# Altium PCB RoBeast_Control_Board_PCB.PcbDoc (part 2 of 3)
Units mm, origin at the board's own origin, x right, y up, seen from the top; angles counter-clockwise.
Board outline 150 x 150 mm, 4 copper layers (SIG, GND1, PWR/SIG/GND2, GND3), stack 0.603 mm thick; 310 components, 148 nets, 806 pads, 385 vias.
Unrouted connection lines stored in the file: 242.
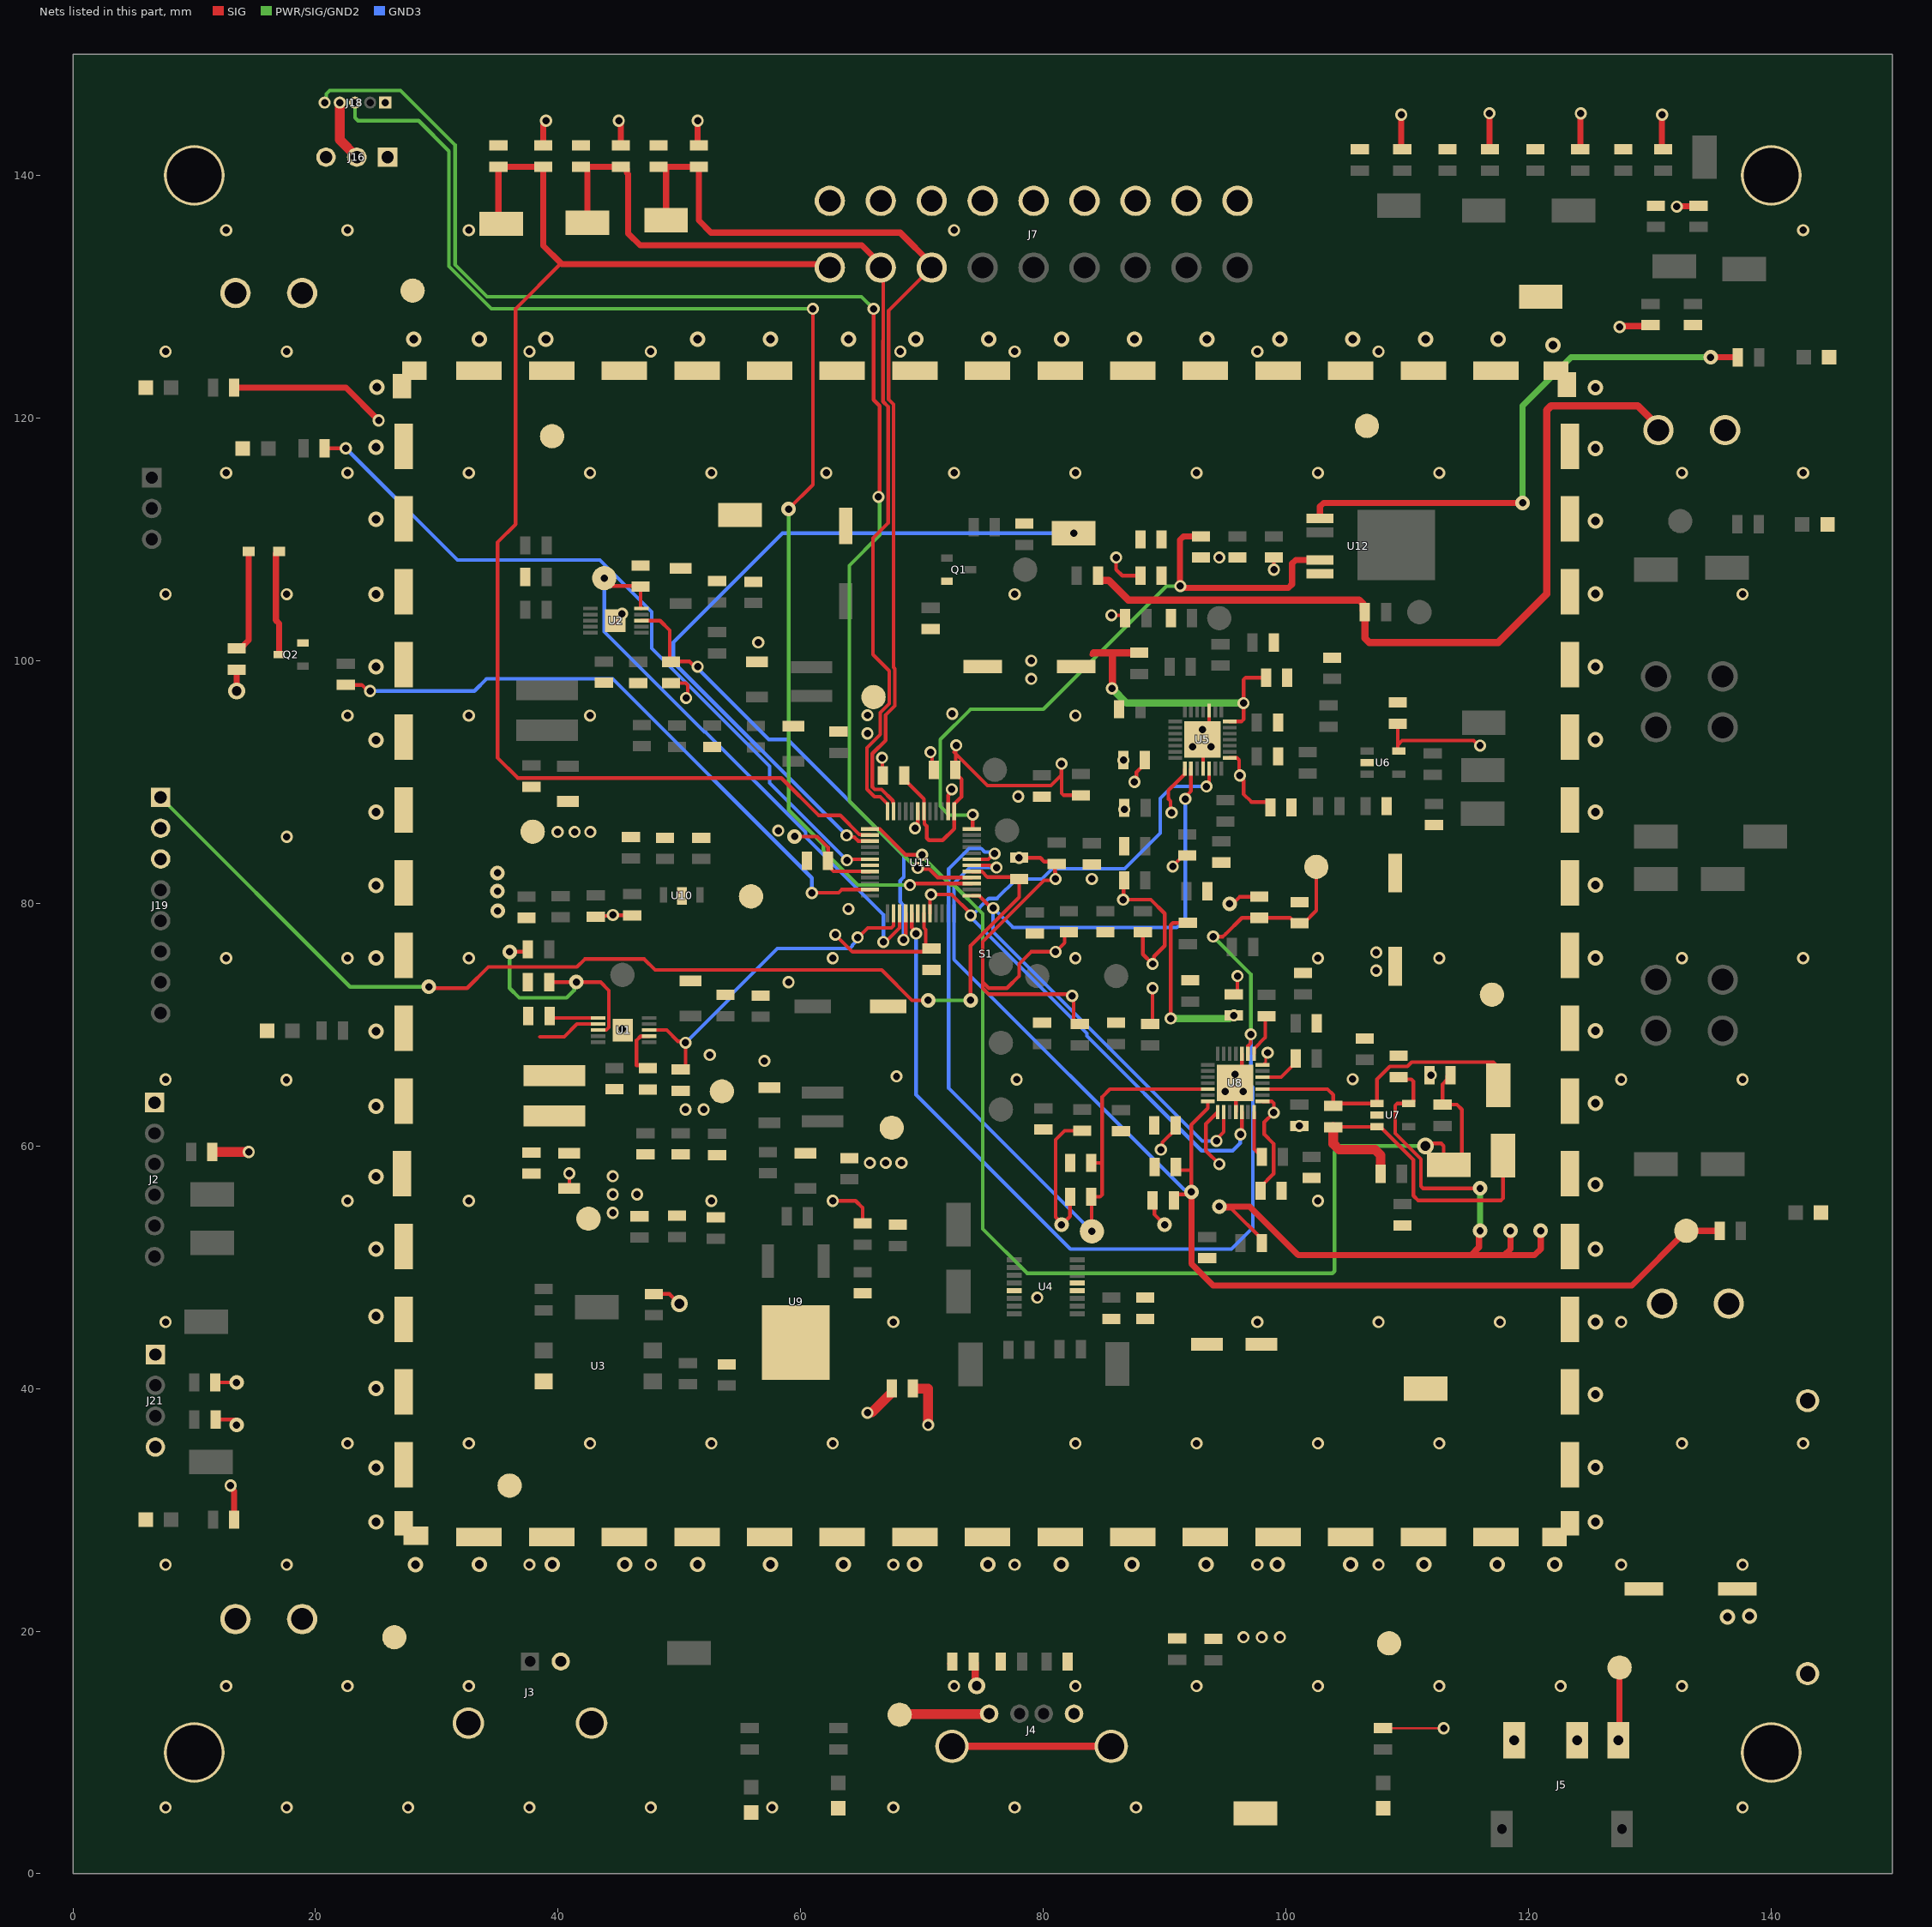
[diagram p4: the nets of this part, all layers, seen from the top]

## Part data (continued)
L4 L7: library part MPZ2012S221AT000, "Ferrite Chip, 1 Function(s), 3A", Case Code=0805, Current Rating=3A, DC Resistance-Max=40mR, Manufacturer=TDK, Max Frequency=100MHz, Max Operating Temperature=125°C, Min Operating Temperature=-55°C, Supplier Part Number 1=445-MPZ2012S221AT000CT-ND, Category="Ferrite Beads and Chips", ComponentLink1Description=https://datasheet.ciiva.com:443/pdfs/VipMasterIC/IC/TDKC/TDKC-S-A0008032886/TDKC-S-A0008032886-1.pdf?src-supplier=IHS+Markit, ComponentLink1URL=https://datasheet.ciiva.com:443/pdfs/VipMasterIC/IC/TDKC/TDKC-S-A0008032886/TDKC-S-A0008032886-1.pdf?src-supplier=IHS+Markit, ComponentLink2Description=https://datasheet.ciiva.com/46381/1750041-46381647.pdf?src-supplier=Element14, ComponentLink2URL=https://datasheet.ciiva.com/46381/1750041-46381647.pdf?src-supplier=Element14, ComponentLink3Description=https://datasheet.ciiva.com/46634/beads-commercial-power-mpz-en-46634582.pdf?src-supplier=Digikey, ComponentLink3URL=https://datasheet.ciiva.com/46634/beads-commercial-power-mpz-en-46634582.pdf?src-supplier=Digikey, ComponentLink4Description=https://datasheet.ciiva.com/46634/beads-commercial-power-mpz-en-46634586.pdf?src-supplier=Digikey, ComponentLink4URL=https://datasheet.ciiva.com/46634/beads-commercial-power-mpz-en-46634586.pdf?src-supplier=Digikey, Construction="Chip Bead", Filter Type="FERRITE CHIP", Height=0.85mm, JESD-609 Code=e2, Length=2mm, Manufacturer Part Number=MPZ2012S221AT000, Material=Ferrite, Min Frequency=100MHz, Mount="Surface Mount", Number of Functions=1, Output Impedance=220R, Packaging="Tape and Reel", Pricing 1="1=0.12, 10=0.094, 25=0.0848, 50=0.0622, 100=0.0537, 250=0.0424, 500=0.03582, 1000=0.03016 (USD)", Reach SVHC Compliant=Yes, RoHS=Yes, RoHS Compliant=Yes, Stock 1=260953, Supplier 1=Digikey, Terminal Finish=Copper, Width=1.25mm
LED1 LED2 LED8: library part LTST-C170KFKT, "Single Color LED, Orange, Water Clear, 1.4mm", Color=Orange, Forward Current-Max=30mA, Forward Voltage-Max=2.4V, Manufacturer="Vishay Lite-On", Max Operating Temperature=85°C, Min Operating Temperature=-55°C, Reverse Voltage-Max=5V, Supplier Part Number 1=160-1413-1-ND, Category=LEDs, Color@wavelength=Orange, ComponentLink1Description=https://datasheet.ciiva.com:443/pdfs/VipMasterIC/IC/LITE/LITE-S-A0009745864/LITE-S-A0009746003-1.pdf?src-supplier=IHS+Markit, ComponentLink1URL=https://datasheet.ciiva.com:443/pdfs/VipMasterIC/IC/LITE/LITE-S-A0009745864/LITE-S-A0009746003-1.pdf?src-supplier=IHS+Markit, ComponentLink2Description=https://datasheet.ciiva.com/11773/0900766b80dc0279-11773662.pdf?src-supplier=Rs, ComponentLink2URL=https://datasheet.ciiva.com/11773/0900766b80dc0279-11773662.pdf?src-supplier=Rs, ComponentLink3Description=https://datasheet.ciiva.com/12403/lite-on-ltst-c170kfkt-187690-12403821.pdf?src-supplier=Mouser, ComponentLink3URL=https://datasheet.ciiva.com/12403/lite-on-ltst-c170kfkt-187690-12403821.pdf?src-supplier=Mouser, ComponentLink4Description=https://datasheet.ciiva.com/15117/getdatasheetpartid-158266-15117926.pdf?src-supplier=Verical, ComponentLink4URL=https://datasheet.ciiva.com/15117/getdatasheetpartid-158266-15117926.pdf?src-supplier=Verical, ComponentLink5Description=https://datasheet.ciiva.com/2110/s-110-ltst-c170kfkt-2110076.pdf?src-supplier=Digikey, ComponentLink5URL=https://datasheet.ciiva.com/2110/s-110-ltst-c170kfkt-2110076.pdf?src-supplier=Digikey, ComponentLink6Description=https://datasheet.ciiva.com/2110/s-110-ltst-c170kfkt-2110075.pdf?src-supplier=Digikey, ComponentLink6URL=https://datasheet.ciiva.com/2110/s-110-ltst-c170kfkt-2110075.pdf?src-supplier=Digikey, ComponentLink7Description=https://datasheet.ciiva.com/2110/s-110-ltst-c170kfkt-2110077.pdf?src-supplier=Digikey, ComponentLink7URL=https://datasheet.ciiva.com/2110/s-110-ltst-c170kfkt-2110077.pdf?src-supplier=Digikey, ComponentLink8Description=https://datasheet.ciiva.com/16427/ltst-c170kfkt-16427484.pdf?src-supplier=Future+Electronics, ComponentLink8URL=https://datasheet.ciiva.com/16427/ltst-c170kfkt-16427484.pdf?src-supplier=Future+Electronics, JESD-609 Code=e3, Lens Style="WATER CLEAR", Luminous Intensity-Nom=60mcd, Manufacturer Part Number=LTST-C170KFKT, Mount="Surface Mount", Number of Functions=1, Number of Pins=2, Optoelectronic Device Type="SINGLE COLOR LED", Overall Height=1.1mm, Packaging="Tape and Reel", Pricing 1="1=0.28, 10=0.152, 100=0.0706, 500=0.06514, 1000=0.05103 (USD)", Reach SVHC Compliant=Yes, RoHS=Yes, RoHS Compliant=Yes, Shape=Rectangular, Size=1.4mm, Stock 1=182565, Supplier 1=Digikey, Terminal Finish=Tin, Terminal Pitch=2.1mm, Viewing Angle=130°
LED3 LED4 LED5 LED6 LED7 LED9 LED10: library part APTD2012LQBC/D, "Single Color LED", Manufacturer=Kingbright, Supplier Part Number 1=754-2046-1-ND, Category=LEDs, ComponentLink1Description=https://datasheet.ciiva.com:443/pdfs/VipMasterIC/IC/KBEC/KBEC-S-A0008946974/KBEC-S-A0008947044-1.pdf?src-supplier=IHS+Markit, ComponentLink1URL=https://datasheet.ciiva.com:443/pdfs/VipMasterIC/IC/KBEC/KBEC-S-A0008946974/KBEC-S-A0008947044-1.pdf?src-supplier=IHS+Markit, ComponentLink2Description=http://www.kingbrightusa.com/images/catalog/SPEC/APTD2012LQBC-D.pdf?src-supplier=Digikey, ComponentLink2URL=http://www.kingbrightusa.com/images/catalog/SPEC/APTD2012LQBC-D.pdf?src-supplier=Digikey, Manufacturer Part Number=APTD2012LQBC/D, Pricing 1="1=0.54, 10=0.358, 100=0.2367, 1000=0.18275 (USD)", RoHS=Yes, RoHS Compliant=Yes, Stock 1=20866, Supplier 1=Digikey
M1 M2 M3 M4: library part M4
NP1 NP2 NP3 NP4 NP5 NP6 NP7 NP8 NP9 NP10 NP11 NP12 NP13 NP14 NP15 NP16 NP17: library part NP
Q1 Q2: library part BC846BLT1G, "Small Signal Bipolar Transistor, 0.1A I(C), 65V V(BR)CEO, 1-Element, NPN, Silicon, TO-236", Collector-emitter Voltage-Max=65V, DC Current Gain-Min (hFE)=200, Manufacturer="ON Semiconductor", Max Collector Current=100mA, Max Operating Temperature=150°C, Package Body Material=Plastic, Package Shape=Rectangular, Package Style="SMALL OUTLINEMeter", Peak Reflow Temperature (Cel)=260°C, Power Dissipation-Max (Abs)=225mW, Supplier Part Number 1=BC846BLT1GOSCT-ND, Time @ Peak Reflow Temperature-Max (s)=40s, Transition Frequency-Nom (fT)=100MHz, Category=BJTs, ComponentLink1Description=https://datasheet.ciiva.com:443/pdfs/VipMasterIC/IC/ONSM/ONSM-S-A0009451914/ONSM-S-A0009451914-1.pdf?src-supplier=IHS+Markit, ComponentLink1URL=https://datasheet.ciiva.com:443/pdfs/VipMasterIC/IC/ONSM/ONSM-S-A0009451914/ONSM-S-A0009451914-1.pdf?src-supplier=IHS+Markit, ComponentLink2Description=https://datasheet.ciiva.com/15138/getdatasheetpartid-38790-15138644.pdf?src-supplier=Verical, ComponentLink2URL=https://datasheet.ciiva.com/15138/getdatasheetpartid-38790-15138644.pdf?src-supplier=Verical, ComponentLink3Description=https://datasheet.ciiva.com/27056/2010421-27056146.pdf?src-supplier=Jameco, ComponentLink3URL=https://datasheet.ciiva.com/27056/2010421-27056146.pdf?src-supplier=Jameco, ComponentLink4Description=https://datasheet.ciiva.com/7972/bc846alt1-d-7972189.pdf?src-supplier=Element14, ComponentLink4URL=https://datasheet.ciiva.com/7972/bc846alt1-d-7972189.pdf?src-supplier=Element14, JEDEC-95 Code=TO-236, JESD-30 Code=R-PDSO-G3, JESD-609 Code=e3, Manufacturer Part Number=BC846BLT1G, Moisture Sensitivity Level=1, Number of Elements=1, Number of Pins=3, Polarity/Channel Type=NPN, Pricing 1="1=0.14, 10=0.097, 100=0.0522, 500=0.04102, 1000=0.02848 (USD)", Qualification Status="Not Qualified", Reach SVHC Compliant=Yes, RoHS=Yes, RoHS Compliant=Yes, Stock 1=1618453, Supplier 1=Digikey, Surface Mount=Yes, Terminal Finish=Tin, Terminal Form="Gull Wing", Terminal Position=DUAL, Transistor Application=SWITCHING, Transistor Element Material=SILICON
R1 R3 R6 R8 R13 R14 R20 R21 R22 R23 R27 R46 R49 R56 R66 R67 R70 R71 R78 R79 R80 R81 R87 R88 R92 R95 R96 R97 R98 R99 R100 R101: library part RMCF0805ZT0R00, "Fixed Resistor, Metal Glaze/thick Film, 0.125W, 0ohm, Surface Mount, 0805", Manufacturer="Stackpole Electronics", Max Operating Temperature=155°C, Min Operating Temperature=-55°C, Package Height=0.5mm, Package Length=2mm, Package Shape=Rectangular, Package Style=SMTMeter, Package Width=1.25mm, Rated Power Dissipation (P)=125mW, Rated Temperature=70°C, Resistor Type="FIXED RESISTOR", Supplier Part Number 1=RMCF0805ZT0R00CT-ND, Working Voltage=150V, Category="Chip SMD Resistors", ComponentLink1Description=https://datasheet.ciiva.com:443/pdfs/VipMasterIC/IC/SEIE/SEIE-S-A0007077258/SEIE-S-A0007077258-1.pdf?src-supplier=IHS+Markit, ComponentLink1URL=https://datasheet.ciiva.com:443/pdfs/VipMasterIC/IC/SEIE/SEIE-S-A0007077258/SEIE-S-A0007077258-1.pdf?src-supplier=IHS+Markit, ComponentLink2Description=https://datasheet.ciiva.com/15193/getdatasheetpartid-360417-15193658.pdf?src-supplier=Verical, ComponentLink2URL=https://datasheet.ciiva.com/15193/getdatasheetpartid-360417-15193658.pdf?src-supplier=Verical, Construction=Rectangular, JESD-609 Code=e3, Manufacturer Part Number=RMCF0805ZT0R00, Mount="Surface Mount", Number of Pins=2, Packaging="Tape and Reel", Pricing 1="1=0.1, 10=0.017, 25=0.0128, 50=0.0096, 100=0.0068, 250=0.00544, 500=0.00436, 1000=0.00321 (USD)", Reach SVHC Compliant=Yes, Reference Standard=AEC-Q200, Resistance=0R, RoHS=Yes, RoHS Compliant=Yes, Size Code=0805, Stock 1=1154169, Supplier 1=Digikey, Technology="METAL GLAZE/THICK FILM", Terminal Finish=Nickel, Termination=Wraparound
R2: library part AC0805FR-07110RL, "Fixed Resistor, Metal Glaze/thick Film, 0.125W, 110ohm, 150V, 1% +/-Tol, 100ppm/Cel, Surface Mount, 0805", Manufacturer=Yageo, Max Operating Temperature=155°C, Min Operating Temperature=-55°C, Package Height=0.5mm, Package Length=2mm, Package Shape=Rectangular, Package Style=SMTMeter, Package Width=1.25mm, Rated Power Dissipation (P)=125mW, Rated Temperature=70°C, Resistor Type="FIXED RESISTOR", Supplier Part Number 1=13-AC0805FR-07110RLCT-ND, Temperature Coefficient=100ppm/°C, Tolerance=1%, Working Voltage=150V, Additional Feature="LASER TRIMMABLE", Category="Chip SMD Resistors", ComponentLink1Description=https://datasheet.ciiva.com:443/pdfs/VipMasterIC/IC/YAGO/YAGO-S-A0003597364/YAGO-S-A0003597364-1.pdf?src-supplier=IHS+Markit, ComponentLink1URL=https://datasheet.ciiva.com:443/pdfs/VipMasterIC/IC/YAGO/YAGO-S-A0003597364/YAGO-S-A0003597364-1.pdf?src-supplier=IHS+Markit, ComponentLink2Description=http://www.mouser.com/ds/2/447/yageodocoutput-1111992.pdf?src-supplier=Mouser, ComponentLink2URL=http://www.mouser.com/ds/2/447/yageodocoutput-1111992.pdf?src-supplier=Mouser, ComponentLink3Description=http://www.yageo.com/documents/recent/PYu-AC_51_RoHS_L_2.pdf?src-supplier=Future+Electronics, ComponentLink3URL=http://www.yageo.com/documents/recent/PYu-AC_51_RoHS_L_2.pdf?src-supplier=Future+Electronics, ComponentLink4Description=http://www.yageo.com/NewPortal/yageodocoutput?fileName=/pdf/R-Chip/PYu-AC_51_RoHS_L_6.pdf&src-supplier=Digikey, ComponentLink4URL=http://www.yageo.com/NewPortal/yageodocoutput?fileName=/pdf/R-Chip/PYu-AC_51_RoHS_L_6.pdf&src-supplier=Digikey, Construction=Chip, JESD-609 Code=e3, Manufacturer Part Number=AC0805FR-07110RL, Mount="Surface Mount", Number of Pins=2, Packaging="Tape and Reel", Pricing 1="1=0.1, 10=0.031, 50=0.0198, 100=0.0166, 500=0.01152, 1000=0.00997 (USD)", Reach SVHC Compliant=Yes, Reference Standard=AEC-Q200, Resistance=110R, RoHS=Yes, RoHS Compliant=Yes, Size Code=0805, Stock 1=9650, Supplier 1=Digikey, Technology="METAL GLAZE/THICK FILM", Terminal Finish=Nickel, Termination=Wraparound
R4: library part RC0805FR-0768RL, "Fixed Resistor, Metal Glaze/thick Film, 0.125W, 68ohm, 150V, 1% +/-Tol, 100ppm/Cel, Surface Mount, 0805", Manufacturer=Yageo, Max Operating Temperature=155°C, Min Operating Temperature=-55°C, Package Height=0.5mm, Package Length=2mm, Package Shape=Rectangular, Package Style=SMTMeter, Package Width=1.25mm, Rated Power Dissipation (P)=125mW, Rated Temperature=70°C, Resistor Type="FIXED RESISTOR", Supplier Part Number 1=311-68.0CRCT-ND, Temperature Coefficient=100ppm/°C, Tolerance=1%, Working Voltage=150V, Additional Feature="LASER TRIMMABLE", Category="Chip SMD Resistors", ComponentLink1Description=https://datasheet.ciiva.com:443/pdfs/VipMasterIC/IC/YAGO/YAGO-S-A0008145938/YAGO-S-A0008145938-1.pdf?src-supplier=IHS+Markit, ComponentLink1URL=https://datasheet.ciiva.com:443/pdfs/VipMasterIC/IC/YAGO/YAGO-S-A0008145938/YAGO-S-A0008145938-1.pdf?src-supplier=IHS+Markit, ComponentLink2Description=https://datasheet.ciiva.com/2458/pyu-r-int-thick-7-2458140.pdf?src-supplier=Digikey, ComponentLink2URL=https://datasheet.ciiva.com/2458/pyu-r-int-thick-7-2458140.pdf?src-supplier=Digikey, ComponentLink3Description=https://datasheet.ciiva.com/2458/pyu-r-int-thick-7-2458141.pdf?src-supplier=Digikey, ComponentLink3URL=https://datasheet.ciiva.com/2458/pyu-r-int-thick-7-2458141.pdf?src-supplier=Digikey, ComponentLink4Description=https://datasheet.ciiva.com/2458/pyu-r-int-thick-7-2458139.pdf?src-supplier=Digikey, ComponentLink4URL=https://datasheet.ciiva.com/2458/pyu-r-int-thick-7-2458139.pdf?src-supplier=Digikey, ComponentLink5Description=https://datasheet.ciiva.com/7941/444164-7941831.pdf?src-supplier=Element14, ComponentLink5URL=https://datasheet.ciiva.com/7941/444164-7941831.pdf?src-supplier=Element14, ComponentLink6Description=https://datasheet.ciiva.com/16744/rc0805-16744519.pdf?src-supplier=Future+Electronics, ComponentLink6URL=https://datasheet.ciiva.com/16744/rc0805-16744519.pdf?src-supplier=Future+Electronics, ComponentLink7Description=https://datasheet.ciiva.com/12666/rc0805-12666940.pdf?src-supplier=Mouser, ComponentLink7URL=https://datasheet.ciiva.com/12666/rc0805-12666940.pdf?src-supplier=Mouser, ComponentLink8Description=https://datasheet.ciiva.com/7941/444164-7941832.pdf?src-supplier=Element14, ComponentLink8URL=https://datasheet.ciiva.com/7941/444164-7941832.pdf?src-supplier=Element14, Construction=Chip, JESD-609 Code=e3, Manufacturer Part Number=RC0805FR-0768RL, Mount="Surface Mount", Number of Pins=2, Packaging="Tape and Reel", Pricing 1="1=0.1, 10=0.025, 50=0.016, 100=0.0133, 500=0.00912, 1000=0.00787 (USD)", Reach SVHC Compliant=Yes, Resistance=68R, RoHS=Yes, RoHS Compliant=Yes, Size Code=0805, Stock 1=141090, Supplier 1=Digikey, Technology="METAL GLAZE/THICK FILM", Terminal Finish=Nickel, Termination=Wraparound
R5 R83 R85: library part RCS08051K10FKEA, "Fixed Resistor, Metal Glaze/thick Film, 0.4W, 1100ohm, 150V, 1% +/-Tol, 100ppm/Cel, Surface Mount, 0805", Manufacturer="Vishay Dale", Supplier Part Number 1=541-RCS08051K10FKEACT-ND, Category="Chip SMD Resistors", ComponentLink1Description=https://datasheet.ciiva.com:443/pdfs/VipMasterIC/IC/VISH/VISH-S-A0007978036/VISH-S-A0007978036-1.pdf?src-supplier=IHS+Markit, ComponentLink1URL=https://datasheet.ciiva.com:443/pdfs/VipMasterIC/IC/VISH/VISH-S-A0007978036/VISH-S-A0007978036-1.pdf?src-supplier=IHS+Markit, ComponentLink2Description=http://www.vishay.com/docs/20065/rcse3.pdf?src-supplier=Digikey, ComponentLink2URL=http://www.vishay.com/docs/20065/rcse3.pdf?src-supplier=Digikey, Manufacturer Part Number=RCS08051K10FKEA, Pricing 1="1=0.2, 10=0.104, 50=0.0712, 100=0.0613, 500=0.045, 1000=0.03986 (USD)", RoHS=Yes, Stock 1=9985, Supplier 1=Digikey
R7 R9 R11 R12 R57 R107 R108: library part RC0805FR-13330RL, "Fixed Resistor, Metal Glaze/thick Film, 0.125W, 330ohm, 150V, 1% +/-Tol, 100ppm/Cel, Surface Mount, 0805", Manufacturer=Yageo, Max Operating Temperature=155°C, Min Operating Temperature=-55°C, Package Height=0.5mm, Package Length=2mm, Package Shape=Rectangular, Package Style=SMTMeter, Package Width=1.25mm, Rated Power Dissipation (P)=125mW, Rated Temperature=70°C, Resistor Type="FIXED RESISTOR", Supplier Part Number 1=13-RC0805FR-13330RLCT-ND, Temperature Coefficient=100ppm/°C, Tolerance=1%, Working Voltage=150V, Additional Feature="LASER TRIMMABLE", Category="Chip SMD Resistors", ComponentLink1Description=https://datasheet.ciiva.com:443/pdfs/VipMasterIC/IC/YAGO/YAGO-S-A0008145938/YAGO-S-A0008145938-1.pdf?src-supplier=IHS+Markit, ComponentLink1URL=https://datasheet.ciiva.com:443/pdfs/VipMasterIC/IC/YAGO/YAGO-S-A0008145938/YAGO-S-A0008145938-1.pdf?src-supplier=IHS+Markit, ComponentLink2Description=https://datasheet.ciiva.com/12575/rc0805-257173-12575525.pdf?src-supplier=Mouser, ComponentLink2URL=https://datasheet.ciiva.com/12575/rc0805-257173-12575525.pdf?src-supplier=Mouser, Construction=Chip, JESD-609 Code=e3, Manufacturer Part Number=RC0805FR-13330RL, Mount="Surface Mount", Number of Pins=2, Packaging="Tape and Reel", Pricing 1="1=0.1, 10=0.025, 50=0.016, 100=0.0133, 500=0.00912, 1000=0.00787, 5000=0.00577, 10000=0.00511 (USD)", Reach SVHC Compliant=Yes, Resistance=330R, RoHS=Yes, RoHS Compliant=Yes, Size Code=0805, Stock 1=36292, Supplier 1=Digikey, Technology="METAL GLAZE/THICK FILM", Terminal Finish=Nickel, Termination=Wraparound
R10 R47 R109: library part SG73P2ATTD27R0F, "Fixed Resistor, Metal Glaze/thick Film, 0.5W, 27ohm, 400V, 1% +/-Tol, 200ppm/Cel, Surface Mount, 0805", Manufacturer="KOA Speer", Max Operating Temperature=155°C, Min Operating Temperature=-55°C, Package Height=0.5mm, Package Length=2mm, Package Style=SMTMeter, Package Width=1.25mm, Rated Power Dissipation (P)=250mW, Rated Temperature=70°C, Resistor Type="FIXED RESISTOR", Supplier Part Number 1=2019-SG73P2ATTD27R0FCT-ND, Temperature Coefficient=200ppm/°C, Tolerance=1%, Working Voltage=400V, Category="Chip SMD Resistors", ComponentLink1Description=https://datasheet.ciiva.com:443/pdfs/VipMasterIC/IC/KOAS/KOAS-S-A0009586268/KOAS-S-A0009586268-1.pdf?src-supplier=IHS+Markit, ComponentLink1URL=https://datasheet.ciiva.com:443/pdfs/VipMasterIC/IC/KOAS/KOAS-S-A0009586268/KOAS-S-A0009586268-1.pdf?src-supplier=IHS+Markit, ComponentLink2Description=http://www.koaspeer.com/catimages/Products/SG73/SG73.pdf?src-supplier=Mouser, ComponentLink2URL=http://www.koaspeer.com/catimages/Products/SG73/SG73.pdf?src-supplier=Mouser, Construction=Rectangular, JESD-609 Code=e3, Manufacturer Part Number=SG73P2ATTD27R0F, Mount="Surface Mount", Number of Pins=2, Packaging="Tape and Reel", Pricing 1="1=0.18, 10=0.09, 50=0.0602, 100=0.0514, 500=0.03686, 1000=0.03245 (USD)", Reach SVHC Compliant=Yes, Reference Standard=AEC-Q200, Resistance=27R, RoHS=Yes, RoHS Compliant=Yes, Size Code=0805, Stock 1=9351, Supplier 1=Digikey, Technology="METAL GLAZE/THICK FILM", Terminal Finish=Nickel, Termination=Wraparound
R15: library part RK73H2ATTD7152F, "Fixed Resistor, Metal Glaze/thick Film, 0.25W, 71500ohm, 150V, 1% +/-Tol, 100ppm/Cel, Surface Mount, 0805", Manufacturer="KOA Speer", Max Operating Temperature=155°C, Min Operating Temperature=-55°C, Package Height=0.5mm, Package Length=2mm, Package Style=SMTMeter, Package Width=1.25mm, Rated Power Dissipation (P)=250mW, Rated Temperature=70°C, Resistor Type="FIXED RESISTOR", Supplier Part Number 1=2019-RK73H2ATTD7152FCT-ND, Temperature Coefficient=100ppm/°C, Tolerance=1%, Working Voltage=150V, Additional Feature=PRECISION, Category="Chip SMD Resistors", ComponentLink1Description=https://datasheet.ciiva.com:443/pdfs/VipMasterIC/IC/KOAS/KOAS-S-A0009586304/KOAS-S-A0009586304-1.pdf?src-supplier=IHS+Markit, ComponentLink1URL=https://datasheet.ciiva.com:443/pdfs/VipMasterIC/IC/KOAS/KOAS-S-A0009586304/KOAS-S-A0009586304-1.pdf?src-supplier=IHS+Markit, ComponentLink2Description=https://datasheet.ciiva.com/7765/549017-7765254.pdf?src-supplier=Element14, ComponentLink2URL=https://datasheet.ciiva.com/7765/549017-7765254.pdf?src-supplier=Element14, ComponentLink3Description=https://datasheet.ciiva.com/5557/rk73h-5557790.pdf?src-supplier=Mouser, ComponentLink3URL=https://datasheet.ciiva.com/5557/rk73h-5557790.pdf?src-supplier=Mouser, Construction=Rectangular, JESD-609 Code=e3, Manufacturer Part Number=RK73H2ATTD7152F, Mount="Surface Mount", Number of Pins=2, Packaging="Tape and Reel", Pricing 1="1=0.1, 10=0.027, 50=0.0172, 100=0.0144, 500=0.00992, 1000=0.00858 (USD)", Reach SVHC Compliant=Yes, Reference Standard=AEC-Q200, Resistance=71.5kR, RoHS=Yes, RoHS Compliant=Yes, Size Code=0805, Stock 1=821, Supplier 1=Digikey, Technology="METAL GLAZE/THICK FILM", Terminal Finish=Nickel, Termination=Wraparound
R16 R73 R94: library part CRCW0805100KFKEAHP, "Fixed Resistor, Metal Glaze/thick Film, 0.5W, 100000ohm, 150V, 1% +/-Tol, 100ppm/Cel, Surface Mount, 0805", Manufacturer=Vishay, Manufacturer Series=CRCW-HPE3, Max Operating Temperature=155°C, Min Operating Temperature=-55°C, Package Height=0.5mm, Package Length=2mm, Package Shape=Rectangular, Package Style=SMTMeter, Package Width=1.25mm, Rated Power Dissipation (P)=500mW, Rated Temperature=70°C, Resistor Type="FIXED RESISTOR", Supplier Part Number 1=541-100KTCT-ND, Temperature Coefficient=100ppm/°C, Tolerance=1%, Working Voltage=150V, Category="Chip SMD Resistors", ComponentLink1Description=https://datasheet.ciiva.com:443/pdfs/VipMasterIC/IC/VISH/VISH-S-A0009391795/VISH-S-A0009391795-1.pdf?src-supplier=IHS+Markit, ComponentLink1URL=https://datasheet.ciiva.com:443/pdfs/VipMasterIC/IC/VISH/VISH-S-A0009391795/VISH-S-A0009391795-1.pdf?src-supplier=IHS+Markit, ComponentLink2Description=https://datasheet.ciiva.com/2475/crcwhpe3-2475664.pdf?src-supplier=Digikey, ComponentLink2URL=https://datasheet.ciiva.com/2475/crcwhpe3-2475664.pdf?src-supplier=Digikey, ComponentLink3Description=https://datasheet.ciiva.com/8982/crcwhpe3-8982333.pdf?src-supplier=Avnet, ComponentLink3URL=https://datasheet.ciiva.com/8982/crcwhpe3-8982333.pdf?src-supplier=Avnet, ComponentLink4Description=https://datasheet.ciiva.com/7777/424479-7777350.pdf?src-supplier=Element14, ComponentLink4URL=https://datasheet.ciiva.com/7777/424479-7777350.pdf?src-supplier=Element14, ComponentLink5Description=https://datasheet.ciiva.com/7777/424479-7777351.pdf?src-supplier=Element14, ComponentLink5URL=https://datasheet.ciiva.com/7777/424479-7777351.pdf?src-supplier=Element14, Construction=Chip, JESD-609 Code=e3, Manufacturer Part Number=CRCW0805100KFKEAHP, Mount="Surface Mount", Number of Pins=2, Packaging="Tape and Reel", Pricing 1="1=0.2, 10=0.103, 50=0.0688, 100=0.0587, 500=0.0421, 1000=0.03706 (USD)", Reach SVHC Compliant=Yes, Reference Standard=AEC-Q200, Resistance=100kR, RoHS=Yes, RoHS Compliant=Yes, Series="CRCW-HP E3", Size Code=0805, Stock 1=104274, Supplier 1=Digikey, Technology="METAL GLAZE/THICK FILM", Terminal Finish=Nickel, Termination=Wraparound